# Altium PCB SHD2ZW2v1.2.1.PcbDoc (part 2 of 2)
Units mm, origin at the board's own origin, x right, y up, seen from the top; angles counter-clockwise.
Board outline 80 x 70.63 mm, 2 copper layers (Top Layer, Bottom Layer), stack 1.671 mm thick; 108 components, 77 nets, 372 pads, 328 vias.
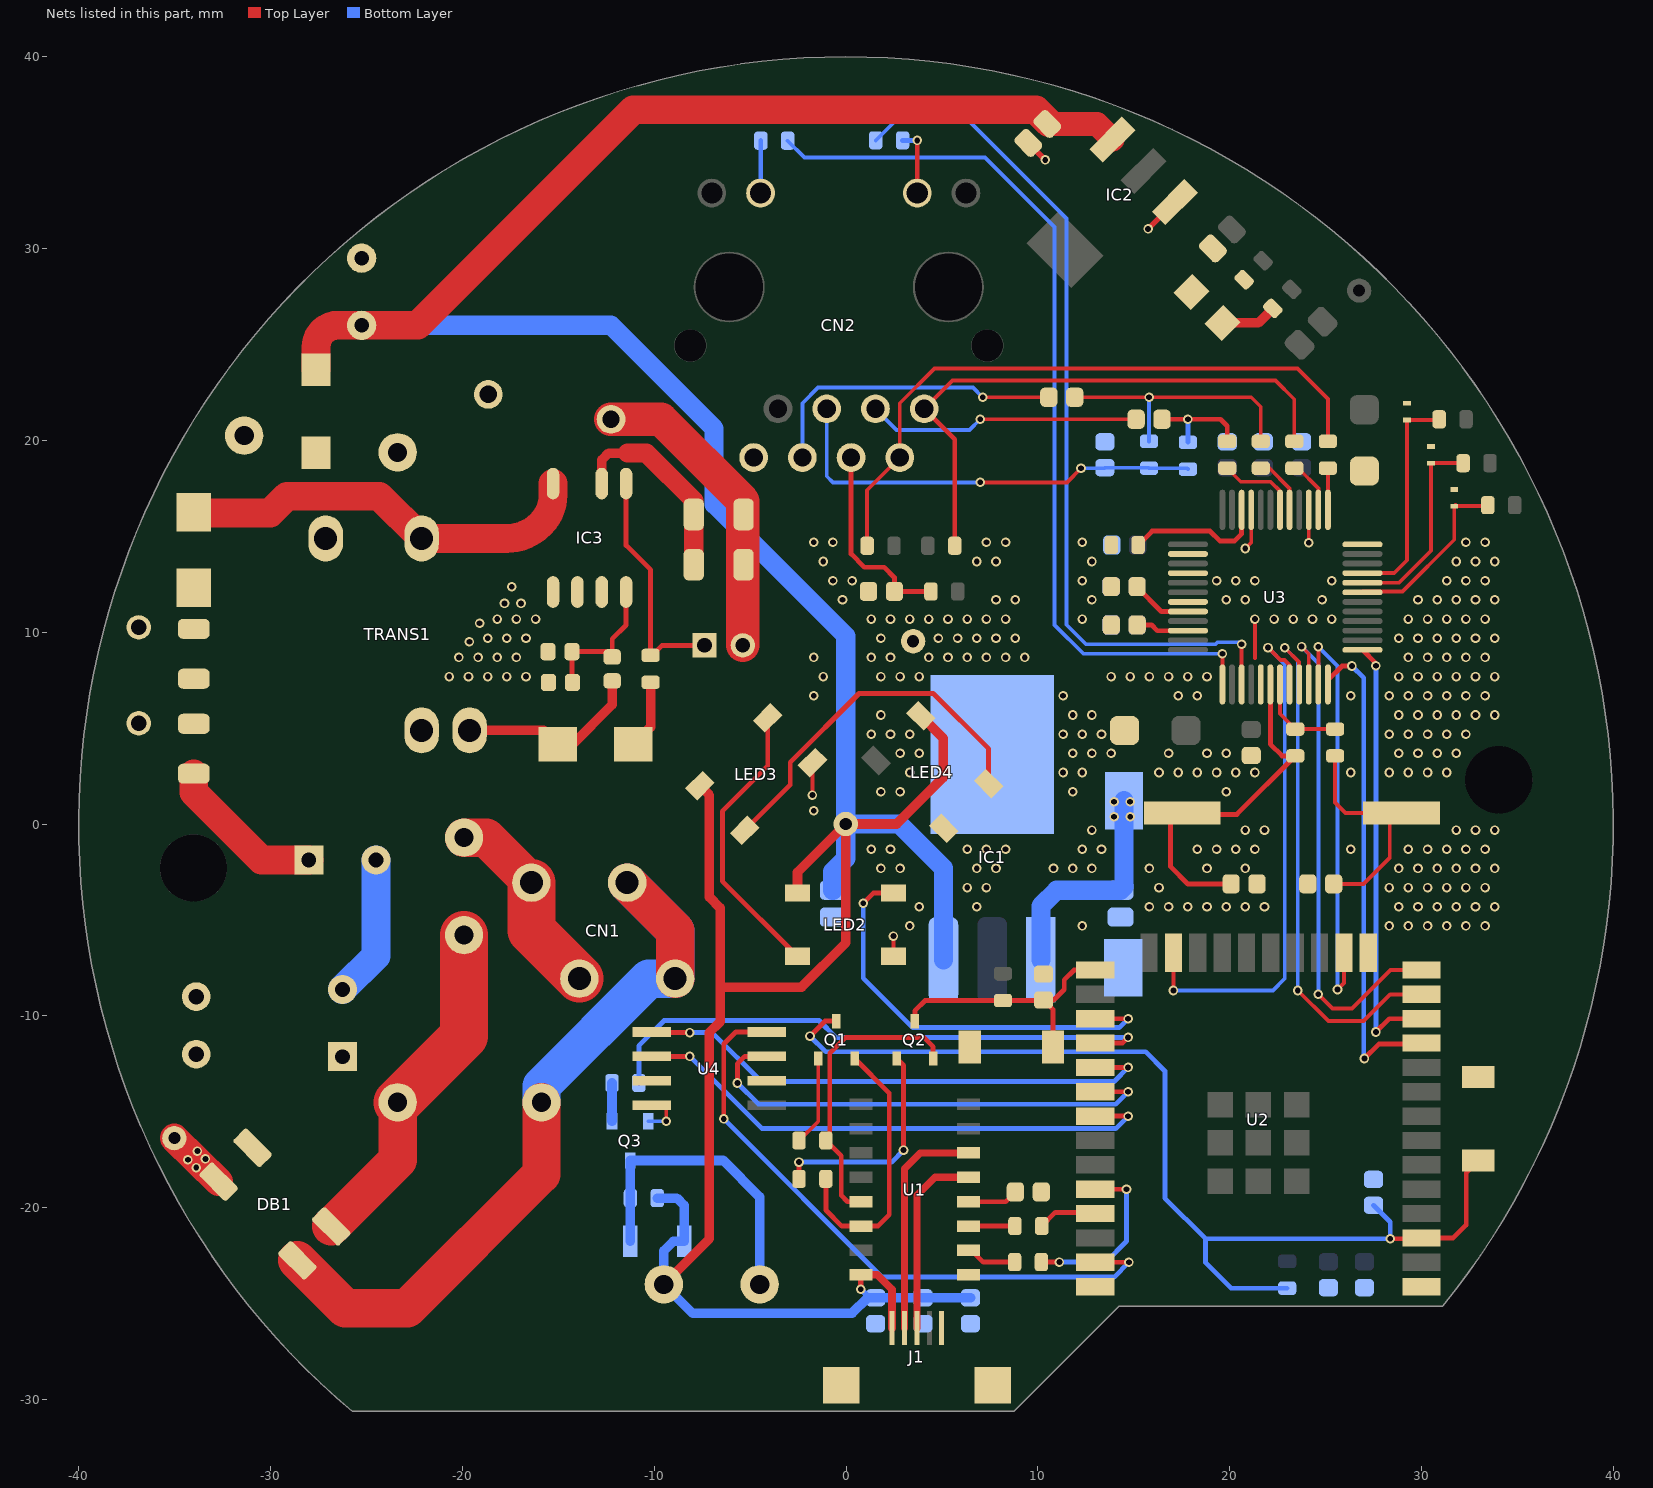
[diagram p2: the nets of this part, all layers, seen from the top]

## Via types
v1: diameter 0.5, hole 0.3, Top Layer to Bottom Layer, tented both sides, 316 vias
v2: diameter 0.3, hole 0.2, Top Layer to Bottom Layer, tented both sides, 12 vias

## Nets (pads, with @x,y where several pads share a name; then routed paths per layer and width w, separated by ;. In a path a pad name is that pad's centre, name@x,y a point inside that pad or via, vN(x,y) a via of type N, cw(c..) or ccw(c..) an arc to the next point about the centre after c; other vN are vias at no path point) (continued)
+5V: B1.1 C1.1 C2.1 C3.1 C11.1 C15.2 C16.2 D1.1 D2.1 IC1.3 IC2.3 J1.1 LED2.1 LED3.1 LED4.1 R8.2 TP4.1 U1.16 | length 191.8
  Top Layer w0.3: v1(0.775,-24.25) U1.16@0.775,-23.5
  Top Layer w0.4: U1.16@0.775,-23.5 1.629,-23.5 2.4,-24.271 J1.1@2.4,-26.282
  Top Layer w0.5: B1.1@-9.5,-24 -7.129,-21.629 -7.129,-10.879 -6.562,-10.312 -6.562,-8.5 ; LED3.1@-7.618,2 -7.125,1.507 -7.125,-3.813 -6.562,-4.375 -6.562,-8.5 ; LED2.1@-2.53,-3.6 -2.53,-2.516 TP4.1@-0.014,0 ; LED4.1@3.899,5.644 5.062,4.481 5.062,2.421 2.641,0 TP4.1@-0.014,0 ; -6.562,-8.5 -2.317,-8.5 -0.014,-6.197 TP4.1@-0.014,0
  Top Layer w1.25: C16.2@10.495,36.495 13.075,36.495 IC2.3@13.893,35.677
  Top Layer w1.5: D2.1@-27.625,23.69 -27.625,24.875 cw(c-26.5,24.875) -26.5,26 C11.1@-25.25,26 -22.323,26 -11.087,37.236 9.901,37.236 C16.2@10.569,36.569
  Bottom Layer w0.3: v1(0.775,-24.25) C1.1@1.225,-24.7
  Bottom Layer w0.5: R8.2@-9.841,-19.502 -8.814,-19.502 -8.441,-19.875 D1.1@-8.441,-21.752 -9.002,-21.752 -9.5,-22.25 B1.1@-9.5,-24 -7.996,-25.504 -3.877,-25.504 -3.873,-25.5 0.312,-25.5 1.113,-24.7 1.225,-24.7 C1.1@1.54,-24.7 C2.1@4.015,-24.7 C3.1@6.49,-24.7
  Bottom Layer w1: C11.1@-25.25,26 -12.25,26 -6.875,20.625 -6.875,16.67 -0.014,9.809 TP4.1@-0.014,0 ; C15.2@-0.692,-3.456 -0.692,-2.478 -0.014,-1.8 TP4.1@-0.014,0 ; IC1.3@5.08,-7.075 5.08,-2.299 2.781,0 TP4.1@-0.014,0
+12V: C14.2 IC1.1 pad.1@14.492,1.214 | length 12
  Bottom Layer w1: IC1.1@10.16,-7.075 10.16,-4.277 10.981,-3.456 C14.2@14.313,-3.456 14.492,-3.276 pad.1@14.492,1.214
  other v1: 13.976,0.375 14.821,0.375 13.976,1.155 14.813,1.155
A: D2.2 pad.2
ACTLED: R31.1 U3.27 | length 45.8
  Top Layer w0.2: U3.27@20.625,7.279 v1(20.625,9.375)
  Bottom Layer w0.2: R31.1@1.55,35.641 3.034,37.125 5.95,37.125 11.5,31.575 11.5,10.392 12.517,9.375 19.271,9.375 19.375,9.479 20.521,9.479 v1(20.625,9.375)
BUZZER: R9.1 U2.28 | length 30.2
  Top Layer w0.254: U2.28@13,-11.42 14.412,-11.42 v1(14.707,-11.125)
  Bottom Layer w0.254: R9.1@-10.8,-13.5 -10.8,-11.559 -9.485,-10.244 -1.409,-10.244 -0.528,-11.125 v1(14.707,-11.125)
D_N: J1.2 U1.6 | length 12
  Top Layer w0.381: J1.2@3.05,-26.282 3.05,-17.969 3.869,-17.15 U1.6@6.375,-17.15
D_P: J1.3 U1.5 | length 10
  Top Layer w0.381: J1.3@3.7,-26.282 3.7,-19.357 4.637,-18.42 U1.5@6.375,-18.42
DTR: Q2.2 R6.2 U1.13 | length 15.5
  Top Layer w0.254: U1.13@0.775,-19.69 0.078,-19.69 -0.25,-19.362 -0.25,-17.3 R6.2@-1.05,-16.5 -0.844,-16.294 -0.844,-11.955 -0.014,-11.125 4.055,-11.125 4.54,-11.61 Q2.2@4.54,-12.225
EN: C4.2 Q1.3 R1.1 SW1.1 U2.3 | length 56.3
  Top Layer w0.254: v1(-1.875,-11.057) -1.093,-10.275 Q1.3@-0.5,-10.275 ; v1(28.375,-21.625) 29.955,-21.625 U2.3@30,-21.58 31.653,-21.58 32.315,-20.918 32.336,-20.918 32.336,-18.181 SW1.1@32.967,-17.55
  Bottom Layer w0.254: v1(-1.875,-11.057) -1.057,-11.875 15.625,-11.875 16.625,-12.875 16.625,-19.505 18.745,-21.625 ; R1.1@23,-24.2 20.075,-24.2 18.745,-22.87 18.745,-21.625 ; C4.2@27.5,-19.875 28.375,-20.75 v1(28.375,-21.625) 18.745,-21.625
FB: C19.2 IC3.4 R16.1 R17.2 | length 7.5
  Top Layer w0.254: R17.2@-14.26,7.375 -14.286,7.401 C19.2@-14.286,8.984 -12.459,8.984 R16.1@-12.187,8.713 -12.187,9.652 -11.464,10.375 IC3.4@-11.464,12.097
GND: C1.2 C2.2 C3.2 C4.1 C5.1 C6.2 C7.1 C8.1 C11.2 C12.2 C14.1 C15.1 C16.1 C17.1 C21.2 C23.2 C24.1 C25.1 C26.2 C27.2 C28.2 C29.2 C30.2 C31.2 C32.2 C33.1 C34.1 C35.1 C36.1 CN2.8 IC1.4 IC2.1 J1.5 LED1.2 LED2.3 LED3.3 LED4.3 pad.3 pad.4 Q3.2 R12.1 R30.1 SW1.2 SW2.2 SW3.2 SW4.2 SW5.2 TP2.1 U1.1 U2.1 U2.15 U2.38 U3.3 U3.9 U3.14 U3.16 U3.19 U3.29 U3.48 U4.4 | length 14.4
  Top Layer w0.2: U4.4@-10.125,-14.655 -9.375,-14.655 v1(-9.375,-15.494) ; v1(-1.75,1.507) LED3.3@-1.749,3.202 ; LED2.3@2.47,-6.9 v1(2.47,-5.842) ; U3.14@17.825,14.079 U3.14@17.825,14.122 ; v1(20.818,14.362) 21.125,14.668 U3.9@21.125,16.379 ; 21.318,8.659 v1(21.318,10.686) ; v1(24.125,14.665) U3.3@24.125,16.379
  Top Layer w0.3: C16.1@9.505,35.505 v1(10.387,34.623) ; v1(15.749,31.027) IC2.1@17.146,32.424
  Bottom Layer w0.2: Q3.2@-10.3,-15.494 v1(-9.375,-15.494)
  other v1: 3.318,-5.314 12.318,-5.314 28.318,-5.314 29.318,-5.314 30.318,-5.314 31.318,-5.314 32.318,-5.314 33.318,-5.314 3.818,-4.314 6.818,-4.314 15.818,-4.314 16.818,-4.314 17.818,-4.314 18.818,-4.314 19.818,-4.314 20.818,-4.314 21.818,-4.314 28.818,-4.314 29.818,-4.314 30.818,-4.314 31.818,-4.314 32.818,-4.314 33.818,-4.314 6.318,-3.314 7.318,-3.314 16.318,-3.314 28.318,-3.314 29.318,-3.314 30.318,-3.314 31.318,-3.314 32.318,-3.314 33.318,-3.314 1.818,-2.314 2.818,-2.314 6.818,-2.314 7.818,-2.314 10.818,-2.314 11.818,-2.314 12.818,-2.314 15.818,-2.314 18.818,-2.314 20.818,-2.314 28.818,-2.314 29.818,-2.314 30.818,-2.314 31.818,-2.314 32.818,-2.314 33.818,-2.314 1.318,-1.314 2.318,-1.314 6.318,-1.314 7.318,-1.314 8.318,-1.314 12.318,-1.314 13.318,-1.314 18.318,-1.314 19.318,-1.314 20.318,-1.314 21.318,-1.314 26.318,-1.314 29.318,-1.314 30.318,-1.314 31.318,-1.314 32.318,-1.314 33.318,-1.314 12.818,-0.314 20.818,-0.314 21.818,-0.314 31.818,-0.314 32.818,-0.314 33.818,-0.314 -1.682,0.686 1.818,1.686 2.818,1.686 11.818,1.686 19.818,1.686 3.318,2.686 11.318,2.686 12.318,2.686 16.318,2.686 17.318,2.686 18.318,2.686 19.318,2.686 20.318,2.686 21.318,2.686 26.318,2.686 28.318,2.686 29.318,2.686 30.318,2.686 31.318,2.686 2.818,3.686 3.818,3.686 11.818,3.686 12.818,3.686 13.818,3.686 16.818,3.686 18.818,3.686 19.818,3.686 28.818,3.686 29.818,3.686 30.818,3.686 31.818,3.686 1.318,4.686 2.318,4.686 3.318,4.686 11.318,4.686 12.318,4.686 13.318,4.686 28.318,4.686 29.318,4.686 30.318,4.686 31.318,4.686 32.318,4.686 1.818,5.686 11.818,5.686 12.818,5.686 28.818,5.686 29.818,5.686 30.818,5.686 31.818,5.686 32.818,5.686 33.818,5.686 -1.682,6.686 11.318,6.686 17.318,6.686 18.318,6.686 26.318,6.686 28.318,6.686 29.318,6.686 30.318,6.686 31.318,6.686 32.318,6.686 33.318,6.686 -1.182,7.686 1.818,7.686 2.818,7.686 3.818,7.686 13.818,7.686 14.818,7.686 15.818,7.686 16.818,7.686 17.818,7.686 18.818,7.686 28.818,7.686 29.818,7.686 30.818,7.686 31.818,7.686 32.818,7.686 33.818,7.686 -1.682,8.686 1.318,8.686 2.318,8.686 4.318,8.686 5.318,8.686 6.318,8.686 7.318,8.686 8.318,8.686 9.318,8.686 29.318,8.686 30.318,8.686 31.318,8.686 32.318,8.686 33.318,8.686 1.818,9.686 4.818,9.686 5.818,9.686 6.818,9.686 7.818,9.686 8.818,9.686 28.818,9.686 29.818,9.686 30.818,9.686 31.818,9.686 32.818,9.686 33.818,9.686 1.318,10.686 2.318,10.686 3.318,10.686 4.318,10.686 5.318,10.686 6.318,10.686 7.318,10.686 8.318,10.686 12.318,10.686 22.318,10.686 23.318,10.686 24.318,10.686 25.318,10.686 29.318,10.686 30.318,10.686 31.318,10.686 32.318,10.686 33.318,10.686 -0.182,11.686 7.818,11.686 8.818,11.686 12.818,11.686 19.818,11.686 20.818,11.686 24.818,11.686 29.818,11.686 30.818,11.686 31.818,11.686 32.818,11.686 33.818,11.686 -0.682,12.686 0.318,12.686 12.318,12.686 19.318,12.686 20.318,12.686 21.318,12.686 25.318,12.686 31.318,12.686 32.318,12.686 33.318,12.686 -1.182,13.686 6.818,13.686 7.818,13.686 12.818,13.686 31.818,13.686 32.818,13.686 33.818,13.686 -1.682,14.686 -0.682,14.686 7.318,14.686 8.318,14.686 12.318,14.686 32.318,14.686 33.318,14.686
GND1: C9.2 C10.2 C12.1 C18.2 C19.1 DB1.3 IC3.1 IC3.2 IC3.3 R13.2 R14.2 R17.1 TP1.1 TRANS1.9 | length 26.9
  Top Layer w1.5: TP1.1@-35.016,-16.375 DB1.3@-32.705,-18.646
  Top Layer w1.75: C12.1@-12.25,21.1 -9.644,21.1 -5.375,16.831 C18.2@-5.375,9.313
  Bottom Layer w1.5: C9.2@-26.25,-8.625 -24.5,-6.875 C10.2@-24.5,-1.875
  other v1: -33.875,-17.912 -34.307,-17.5 -33.395,-17.461 -33.813,-17.051 -20.682,7.686 -19.682,7.686 -18.682,7.686 -17.682,7.686 -16.682,7.686 -20.182,8.686 -19.182,8.686 -18.182,8.686 -17.182,8.686 -19.635,9.5 -18.682,9.686 -17.682,9.686 -16.682,9.686 -19.101,10.469 -18.182,10.686 -17.182,10.686 -16.182,10.686 -17.806,11.5 -16.942,11.5 -17.425,12.375
GPIO0: C5.2 Q2.3 R2.1 SW2.1 U2.25 | length 13.8
  Top Layer w0.254: Q2.3@3.59,-10.275 3.59,-9.735 4.125,-9.2 R2.1@8.181,-9.2 10.271,-9.2 C5.2@10.296,-9.175 ; SW2.1@10.8,-11.625 10.8,-9.679 C5.2@10.296,-9.175 ; U2.25@13,-7.61 11.89,-7.61 11.375,-8.125 11.375,-8.625 10.825,-9.175 C5.2@10.296,-9.175
L: CN1.1 CN1.2 F1.1 | length 16.6
  Top Layer w2: F1.1@-19.914,-0.71 -18.756,-0.71 CN1.1@-16.405,-3.061
  Top Layer w2.5: CN1.1@-16.405,-3.061 -16.405,-5.561 CN1.2@-13.905,-8.061
  Bottom Layer w2: CN1.1@-16.405,-3.061 -16.405,-5.561 CN1.2@-13.905,-8.061
LED_RGB: LED2.4 U2.27 | length 22.5
  Top Layer w0.254: v1(0.902,-4.125) 1.426,-3.6 LED2.4@2.47,-3.6 ; U2.27@13,-10.15 v1(14.707,-10.15)
  Bottom Layer w0.254: v1(0.902,-4.125) 0.902,-8.04 3.478,-10.617 14.24,-10.617 v1(14.707,-10.15)
LINKLED: R32.1 U3.25 | length 47.5
  Top Layer w0.2: U3.25@19.625,7.279 v1(19.625,8.875)
  Bottom Layer w0.2: R32.1@-3.042,35.625 -2.167,34.75 7.245,34.75 10.875,31.12 10.875,10.375 12.375,8.875 v1(19.625,8.875)
N: CN1.3 CN1.4 DB1.2 V1.2 | length 42.6
  Top Layer w2: DB1.2@-28.605,-22.746 -26.102,-25.25 -22.875,-25.25 -15.875,-18.25 V1.2@-15.875,-14.508 ; CN1.3@-11.405,-3.061 -8.905,-5.561 CN1.4@-8.905,-8.061
  Bottom Layer w2: V1.2@-15.875,-14.508 -15.875,-13.659 -10.277,-8.061 CN1.4@-8.905,-8.061 -8.905,-5.561 CN1.3@-11.405,-3.061
NetB1_2: B1.2 D1.2 Q3.3 R8.1 | length 16.3
  Bottom Layer w0.5: D1.2@-11.241,-21.752 R8.1@-11.241,-19.502 -11.25,-19.493 Q3.3@-11.25,-17.544 -6.396,-17.544 -4.5,-19.44 B1.2@-4.5,-24
NetC6_1: C6.1 U1.4 | length 2.7
  Top Layer w0.254: U1.4@6.375,-19.69 8.322,-19.69 C6.1@8.83,-19.182
NetC9_1: C9.1 DB1.1 L1.1
NetC13_1: C13.1 D3.1 R11.1
NetC13_2: C13.2 R10.1 R11.2
NetC20_2: C20.2 CN2.6 | length 16.2
  Top Layer w0.2: v1(7.125,22.25) C20.2@10.575,22.25
  Bottom Layer w0.2: CN2.6@-2.275,19.105 -2.275,21.936 -1.462,22.749 6.626,22.749 v1(7.125,22.25)
NetC21_1: C21.1 CN2.5 R20.2 R22.1 | length 22.8
  Top Layer w0.2: v1(7,17.812) 11.516,17.812 v1(12.25,18.546)
  Bottom Layer w0.2: CN2.5@-1.005,21.645 -1.005,18.13 -0.687,17.812 v1(7,17.812) ; v1(12.25,18.546) 13.471,18.546 C21.1@13.5,18.575 15.775,18.575 R20.2@15.8,18.55 17.775,18.55 R22.1@17.825,18.5
NetC22_2: C22.2 CN2.3 | length 14.3
  Top Layer w0.2: v1(7,21.1) C22.2@15.125,21.1
  Bottom Layer w0.2: CN2.3@1.535,21.645 2.639,20.541 6.441,20.541 v1(7,21.1)
NetC25_2: C25.2 CN2.4 R29.1 | length 10.9
  Top Layer w0.2: CN2.4@0.265,19.105 CN2.4@0.265,19.537
  Top Layer w0.254: CN2.4@0.265,19.105 0.265,14.082 0.961,13.386 1.987,13.386 2.522,12.851 C25.2@2.522,12.125 R29.1@4.425,12.125
NetC33_2: C33.2 U3.22 | length 2.8
  Top Layer w0.25: C33.2@15.178,10.375 15.929,10.375 16.225,10.079 U3.22@17.825,10.079
NetC34_2: C34.2 U3.20 | length 3.2
  Top Layer w0.25: C34.2@15.175,12.375 15.175,12.35 16.446,11.079 U3.20@17.825,11.079
NetC35_2: C35.2 R34.1 XT1.1 | length 11.8
  Top Layer w0.2: C35.2@25.425,-3.125 26.972,-3.125 28.352,-1.745 XT1.1@28.352,0.5 ; R34.1@25.5,3.55 25.5,1.125 26.045,0.58 XT1.1@28.955,0.58
NetCN2_10: CN2.10 R31.2 | length 3.5
  Top Layer w0.253: CN2.10@3.715,32.895 v1(3.715,35.641)
  Bottom Layer w0.253: R31.2@2.95,35.641 v1(3.715,35.641)
NetCN2_11: CN2.11 R32.2 | length 2.7
  Bottom Layer w0.254: CN2.11@-4.442,32.908 R32.2@-4.442,35.625
  Bottom Layer w0.3: CN2.11@-4.455,32.895 CN2.11@-4.442,32.908
NetD3_2: D3.2 IC3.7 TRANS1.2 | length 21.9
  Top Layer w1.5: D3.2@-34,16.246 -33.975,16.221 -30.015,16.221 -29.146,17.09 -24.329,17.09 TRANS1.2@-22.125,14.886 -17.706,14.886 ccw(c-17.706,17.426) -15.91,15.63 ccw(c-17.446,17.166) -15.274,17.166 IC3.7@-15.274,17.747
NetD4_1: D4.1 R15.2 | length 3.7
  Top Layer w0.5: D4.1@-11.098,4.147 -10.188,5.057 R15.2@-10.188,7.463
NetD4_2: D4.2 R16.2 TRANS1.10 | length 9.8
  Top Layer w0.5: TRANS1.10@-19.625,4.886 -15.767,4.886 D4.2@-15.028,4.147 -14.263,4.147 -12.187,6.223 R16.2@-12.187,7.463
NetDB1_4: DB1.4 F1.2 V1.1 | length 18.1
  Top Layer w2: DB1.4@-26.838,-20.978 -23.375,-17.516 V1.1@-23.375,-14.508
  Top Layer w2.5: V1.1@-23.375,-14.508 -19.914,-11.047 F1.2@-19.914,-5.79
NetLED1_1: LED1.1 R3.1 | length 2.9
  Top Layer w0.5: LED1.1@19.625,26.125 21.5,26.125 R3.1@22.255,26.88
NetLED2_2: LED2.2 LED3.4 | length 15
  Top Layer w0.254: LED3.4@-4.083,5.536 -4.083,3.029 -6.444,0.668 -6.444,-2.986 LED2.2@-2.53,-6.9
NetLED3_2: LED3.2 LED4.4 | length 19.4
  Top Layer w0.254: LED3.2@-5.285,-0.333 -2.908,2.043 -2.908,3.218 0.676,6.803 4.545,6.803 7.434,3.913 LED4.4@7.434,2.109
NetQ1_1: Q1.1 R6.1 | length 4.7
  Top Layer w0.2: R6.1@-2.45,-16.5 -1.45,-15.5 Q1.1@-1.45,-12.225
NetQ2_1: Q2.1 R7.1 | length 11.5
  Top Layer w0.254: R7.1@-2.45,-18.5 v1(-2.45,-17.625) ; Q2.1@2.64,-12.225 3,-12.585 v1(3,-17)
  Bottom Layer w0.254: v1(-2.45,-17.625) 2.375,-17.625 v1(3,-17)
NetQ3_1: Q3.1 R9.2 | length 2
  Bottom Layer w0.5: Q3.1@-12.2,-15.494 R9.2@-12.2,-13.5
NetR4_1: R4.1 U1.2 | length 2.7
  Top Layer w0.254: U1.2@6.375,-22.23 6.544,-22.23 7.153,-22.839 R4.1@8.789,-22.839
NetR5_1: R5.1 U1.3 | length 2.4
  Top Layer w0.254: U1.3@6.375,-20.96 R5.1@8.805,-20.96
NetR18_2: R18.2 SW3.1 U3.45 | length 11.6
  Top Layer w0.2: U3.45@26.925,13.079 28.579,13.079 29.25,13.75 SW3.1@29.25,21.063 30.887,21.063 R18.2@30.925,21.1
NetR19_2: R19.2 SW4.1 U3.44 | length 10.5
  Top Layer w0.2: U3.44@26.925,12.579 28.829,12.579 30.5,14.25 SW4.1@30.5,18.812 R19.2@32.175,18.813
NetR21_2: R21.2 SW5.1 U3.43 | length 9.5
  Top Layer w0.2: U3.43@26.925,12.079 26.925,12.125 29.017,12.125 31.711,14.819 SW5.1@31.711,16.562 31.773,16.625 31.814,16.584 33.461,16.584 R21.2@33.461,16.625
NetR23_2: R23.2 U3.1 | length 2.2
  Top Layer w0.2: R23.2@25.121,18.55 25.125,18.546 U3.1@25.125,16.379
NetR24_2: R24.2 U3.2 | length 2.8
  Top Layer w0.2: R24.2@23.373,18.55 23.575,18.55 24.625,17.5 U3.2@24.625,16.379
NetR26_2: R26.2 U3.5 | length 3.1
  Top Layer w0.2: R26.2@21.624,18.55 22.075,18.55 23.125,17.5 U3.5@23.125,16.379
NetR27_2: R27.2 U3.6 | length 4.2
  Top Layer w0.2: R27.2@19.875,18.55 20.579,17.846 22.137,17.846 22.625,17.358 U3.6@22.625,16.379
NetR30_2: R30.2 U3.10 | length 7.3
  Top Layer w0.25: R30.2@15.23,14.543 15.96,15.273 18.977,15.273 19.5,14.75 20.25,14.75 20.625,15.125 U3.10@20.625,16.379
NetU2_11: U2.11 U3.36 | length 25.8
  Top Layer w0.254: U3.36@25.125,7.279 25.125,7.5 25.862,8.237 v1(26.375,8.237) ; v1(27.025,-12.225) 27.774,-11.476 29.944,-11.476 U2.11@30,-11.42
  Bottom Layer w0.254: v1(26.375,8.237) 26.994,7.618 26.994,-12.194 v1(27.025,-12.225)
NetU4_3: U4.3
NetU4_6: U4.6
PSOURCE: IC3.6 R13.1 R14.1 | length 10.6
  Top Layer w0.5: IC3.6@-12.734,17.747 -12.734,18.977 -12.375,19.336 -11.375,19.336
  Top Layer w1: -11.375,19.336 -10.4,19.336 -7.937,16.873 R13.1@-7.937,16.136 R14.1@-7.937,13.518
PVCC: C18.1 IC3.5 R15.1 | length 12.6
  Top Layer w0.254: IC3.5@-11.464,17.747 -11.464,14.527 -10.188,13.25 -10.188,8.713 -9.588,9.313 C18.1@-7.375,9.313
RSTn: U2.12 U3.37 | length 22.9
  Top Layer w0.254: U3.37@26.925,9.079 27.625,8.379 v1(27.625,8.25) ; v1(27.625,-10.845) 28.32,-10.15 U2.12@30,-10.15
  Bottom Layer w0.254: v1(27.625,-10.845) v1(27.625,8.25)
RTS: Q1.2 R7.2 U1.14 | length 14.4
  Top Layer w0.254: R7.2@-1.05,-18.5 -1.05,-20.125 -0.215,-20.96 U1.14@0.775,-20.96 1.665,-20.96 2.252,-20.373 2.252,-14.027 Q1.2@0.45,-12.225
RX0: R4.2 U2.34 | length 9.2
  Top Layer w0.254: R4.2@10.189,-22.839 v1(11.125,-22.839) ; U2.34@13,-19.04 v1(14.625,-19.04)
  Bottom Layer w0.254: v1(11.125,-22.839) 13.536,-22.839 14.625,-21.75 v1(14.625,-19.04)
SPI2_CS0: U2.23 U3.32 | length 28.2
  Top Layer w0.2: v1(17.07,-8.68) U2.23@17.07,-6.705 ; v1(22,9.2) 22.644,8.556 22.867,8.556 23.125,8.298 U3.32@23.125,7.279
  Bottom Layer w0.2: v1(17.07,-8.68) 22.256,-8.68 22.875,-8.061 22.875,8.325 v1(22,9.2)
SPI2_MISO: U2.14 U3.34 | length 27.1
  Top Layer w0.2: v1(23.75,9.25) 24.125,8.875 U3.34@24.125,7.279 ; v1(24.625,-8.88) 25.37,-9.625 26.375,-9.625 28.39,-7.61 U2.14@30,-7.61
  Bottom Layer w0.2: v1(23.75,9.25) 24.625,8.375 v1(24.625,-8.88)
SPI2_MOSI: U2.16 U3.35 | length 22.3
  Top Layer w0.2: U3.35@24.625,7.279 v1(24.625,9.237) ; v1(25.625,-8.625) 25.96,-8.29 U2.16@25.96,-6.705
  Bottom Layer w0.2: v1(24.625,9.237) 25.625,8.237 v1(25.625,-8.625)
SPI2_SCLK: U2.13 U3.33 | length 28.1
  Top Layer w0.2: v1(22.875,9.19) 23.625,8.44 U3.33@23.625,7.279 ; v1(23.552,-8.677) 25.15,-10.275 26.975,-10.275 28.37,-8.88 U2.13@30,-8.88
  Bottom Layer w0.2: v1(22.875,9.19) 23.552,8.513 v1(23.552,-8.677)
SPI3_CS0: U2.29 U4.1 | length 27.9
  Top Layer w0.254: U4.1@-10.125,-10.845 -10.095,-10.875 v1(-8.14,-10.875) ; U2.29@13,-12.69 v1(14.707,-12.69)
  Bottom Layer w0.254: v1(-8.14,-10.875) -6.965,-10.875 -4.418,-13.422 -0.75,-13.422 13.975,-13.422 v1(14.707,-12.69)
SPI3_MISO: U2.31 U4.2 | length 28.4
  Top Layer w0.254: U4.2@-10.125,-12.115 v1(-8.14,-12.115) ; U2.31@13,-15.23 v1(14.707,-15.23)
  Bottom Layer w0.254: v1(-8.14,-12.115) -4.375,-15.88 14.057,-15.88 v1(14.707,-15.23)
SPI3_MOSI: U2.37 U4.8 | length 33
  Top Layer w0.254: v1(-6.375,-15.375) -6.375,-11.47 -5.75,-10.845 U4.8@-4.125,-10.845 ; U2.37@13,-22.85 v1(14.75,-22.85)
  Bottom Layer w0.254: v1(-6.375,-15.375) 1.875,-23.625 13.975,-23.625 v1(14.75,-22.85)
SPI3_SCLK: U2.30 U4.7 | length 25.5
  Top Layer w0.254: v1(-5.663,-13.5) -5.663,-12.498 -5.28,-12.115 U4.7@-4.125,-12.115 ; U2.30@13,-13.96 v1(14.707,-13.96)
  Bottom Layer w0.254: v1(-5.663,-13.5) -4.553,-14.61 14.057,-14.61 v1(14.707,-13.96)
TPIN+: C22.1 R22.2 R27.1 | length 5.5
  Top Layer w0.254: C22.1@16.475,21.1 v1(17.825,21.1) 19.525,21.1 19.875,20.75 R27.1@19.875,19.95
  Bottom Layer w0.254: R22.2@17.825,19.9 v1(17.825,21.1)
TPIN-: C20.1 R20.1 R26.1 | length 14
  Top Layer w0.2: C20.1@11.925,22.25 v1(15.8,22.25) 21.125,22.25 21.624,21.751 R26.1@21.624,19.95
  Bottom Layer w0.2: R20.1@15.8,19.95 v1(15.8,22.25)
TPOUT+: CN2.1 R24.1 R28.2 | length 30.3
  Top Layer w0.2: CN2.1@4.075,21.645 5.555,23.125 22.389,23.125 23.373,22.141 R24.1@23.373,19.95
  Top Layer w0.254: CN2.1@4.075,21.645 5.67,20.05 R28.2@5.67,14.51
TPOUT-: CN2.2 R23.1 R25.1 | length 34.1
  Top Layer w0.2: R25.1@1.102,14.506 1.102,17.402 CN2.2@2.805,19.105 2.805,21.936 4.619,23.75 6.862,23.75 6.871,23.741 23.534,23.741 25.121,22.154 R23.1@25.121,19.95
TX0: R5.2 U2.35 | length 3.1
  Top Layer w0.254: R5.2@10.205,-20.96 10.915,-20.25 12.94,-20.25 U2.35@13,-20.31
V_IN: C10.1 L1.2 R10.2 TRANS1.4 | length 8.4
  Top Layer w1.5: R10.2@-34,2.625 -34,1.65 -30.475,-1.875 C10.1@-28,-1.875
XI: C36.2 R33.1 U3.30 XT1.2 | length 18.1
  Top Layer w0.254: XT1.2@16.922,0.5 16.922,-2.222 17.825,-3.125 C36.2@20.075,-3.125 ; XT1.2@17.525,0.58 17.605,0.5 20.375,0.5 23.42,3.545 R33.1@23.42,3.55 22.737,3.55 22.125,4.162 U3.30@22.125,7.279
XO: R33.2 R34.2 U3.31 | length 4.7
  Top Layer w0.2: U3.31@22.625,7.279 22.625,5.745 R33.2@23.42,4.95 R34.2@25.5,4.95
pads on no net: CN2.0 CN2.7 IC1.2 J1.4 LED4.2 U1.7 U1.8 U1.9 U1.10 U1.11 U1.12 U1.15 U2.0 U2.4 U2.5 U2.6 U2.7 U2.8 U2.9 U2.10 U2.17 U2.18 U2.19 U2.20 U2.21 U2.22 U2.24 U2.26 U2.32 U2.33 U2.36 U3.7 U3.12 U3.13 U3.18 U3.23 U3.24 U3.26 U3.38 U3.39 U3.40 U3.41 U3.42 U3.46 U3.47
copper on no net:
  other v2: 20.5,-18.625 22.5,-18.625 19.5,-17.62 21.5,-17.62 23.5,-17.62 20.5,-16.625 22.5,-16.625 19.5,-15.62 21.5,-15.62 23.5,-15.62 20.5,-14.625 22.5,-14.625

## Polygon pours and split planes (outlines as drawn)
GND on Top Layer "GND Plane" (solid, remove dead copper, pour order 150): 40.063,40.25 40.062,-30.626 -39.938,-30.626 -39.937,40.25
no net on Top Layer "Peak Voltage" (solid, remove dead copper, pour order 160): -22.125,16.148
no net on Top Layer "GND_TOP" (solid, remove dead copper, pour order 148): -0.014,40
no net on Top Layer "GND_TOP" (solid, remove dead copper, pour order 144): -0.014,40
A on Top Layer "A_TOP_1" (solid, remove dead copper, pour order 140): -23.375,20.5 cw(c-23.375,19.375) -22.25,19.375 -22.25,19.361 cw(c-23.342,19.361) -23.342,18.269 -28.269,18.269 cw(c-28.269,18.563) -28.563,18.563 -28.563,20.312 cw(c-28.375,20.312) -28.375,20.5
GND1 on Top Layer "GND1_TOP_1" (solid, remove dead copper, pour order 130): -22.125,3.575 cw(c-22.125,4.575) -23.125,4.575 -23.125,5.25 cw(c-22.188,5.25) -22.187,6.188 -17.755,13.282 cw(c-17.311,12.838) -17.311,13.466 -12.985,13.466 cw(c-12.985,12.603) -12.375,13.213 cw(c-12.704,12.884) -12.239,12.884 -12.239,11.436 cw(c-12.551,11.437) -12.551,11.125 -12.862,11.125 ccw(c-12.862,9.127) -14.86,9.127 -14.86,7.578 cw(c-16,7.578) -16,6.437 -19.688,6.437 ccw(c-19.688,5) -21.125,5 -21.125,4.575 cw(c-22.125,4.575)
no net on Top Layer "GND1_TOP_1" (solid, remove dead copper, pour order 128): -22.027,3.575
no net on Top Layer "GND1_BOT_2" (solid, remove dead copper, pour order 120): -16,6.437
NetC9_1 on Top Layer "C9_3_TOP" (solid, remove dead copper, pour order 100): -29.808,-17.307 cw(c-30.122,-17.307) -30.122,-17.62 ccw(c-30.122,-17.307) -29.808,-17.307 cw(c-30.122,-17.307) -30.122,-17.62 -30.125,-17.62 -30.122,-17.62 ccw(c-30.122,-17.307) -29.808,-17.307 cw(c-30.122,-17.307) -30.122,-17.62 ccw(c-30.122,-17.307)
NetC9_1 on Top Layer "C9_1_TOP" (solid, remove dead copper, pour order 98): -27.563,-20.239
NetC9_1 on Top Layer "C9_1_TOP" (solid, remove dead copper, pour order 96): -27.563,-20.239
NetC9_1 on Top Layer "C9_1_TOP" (solid, remove dead copper, pour order 92): -30.125,-17.62 -30.332,-17.827 cw(c-30.75,-17.409) -30.75,-18 cw(c-30.75,-17.698) -30.963,-17.912 -34.006,-14.869 cw(c-32.21,-13.073) -34.75,-13.073 -34.75,-12 cw(c-33.875,-12) -33.875,-11.125 -25.5,-11.125 cw(c-25.5,-11.25) -25.375,-11.25 -25.375,-13 cw(c-25.5,-13) -25.5,-13.125 -28.75,-13.125 -31.18,-15.5 -29.875,-16.878 -29.838,-16.915 cw(c-30.051,-17.128) -29.808,-17.307 cw(c-30.142,-17.307) -30.042,-17.625
NetC9_1 on Top Layer "C9_1_TOP" (solid, remove dead copper, pour order 94): -29.808,-17.36
NetC13_2 on Top Layer "C13_2_TOP" (solid, remove dead copper, pour order 72): -36.875,4.5 cw(c-36.875,5.25) -37.625,5.25 cw(c-36.875,5.25) -36.875,6 -35,8 -34.838,8.162 cw(c-34.625,7.948) -34.625,8.25 -33.427,8.25 cw(c-33.427,7.823) -33.125,8.125 -33.088,8.088 cw(c-33.302,7.875) -33,7.875 -33,4.927 cw(c-33.427,4.927) -33.125,4.625 cw(c-33.427,4.927) -33.427,4.5
NetC13_1 on Top Layer "C13_1_TOP" (solid, remove dead copper, pour order 70): -36.875,9.5 cw(c-36.875,10.25) -37.625,10.25 cw(c-36.875,10.25) -36.875,11 -35.25,13.375 -35.213,13.412 cw(c-35,13.198) -35,13.5 -33.302,13.5 cw(c-33.302,13.073) -33,13.375 -32.963,13.338 cw(c-33.177,13.125) -32.875,13.125 -32.875,9.927 cw(c-33.302,9.927) -33,9.625 -33.037,9.588 cw(c-33.25,9.802) -33.25,9.5 -36.875,9.5
no net on Top Layer "+5V_TOP" (solid, remove dead copper, pour order 64): -36.875,9.5
no net on Top Layer "+5V_TOP" (solid, remove dead copper, pour order 60): -37.75,10.86
no net on Top Layer "+5V_TOP" (solid, remove dead copper, pour order 54): -33.012,13.5
no net on Top Layer "+5V_TOP" (solid, remove dead copper, pour order 44): -35.25,7.875
no net on Top Layer "+5V_TOP" (solid, remove dead copper, pour order 42): -35.1,8.1
A on Top Layer "A_TOP" (solid, remove dead copper, pour order 36): -23.375,21.25
A on Top Layer "A_TOP" (solid, remove dead copper, pour order 28): -28.25,21.5
A on Top Layer "A_TOP" (solid, remove dead copper, pour order 26): -28.5,21.5
A on Top Layer "A_TOP" (solid, remove dead copper, pour order 12): -23.375,21.375
+3V3A on Top Layer "3V3A_TOP" (solid, remove dead copper, pour order 4): 22.471,13.42 ccw(c22.471,13.045) 22.096,13.045 22.096,11.92 ccw(c22.471,11.92) 22.471,11.545 23.596,11.545 ccw(c23.596,11.92) 23.971,11.92 23.971,13.045 ccw(c23.596,13.045) 23.596,13.42
GND on Bottom Layer "GND Plane" (solid, remove dead copper, pour order 152): 40,40 40,-30.625 -40,-30.625 -40,40
GND1 on Bottom Layer "GND1_BOT_2" (solid, remove dead copper, pour order 118): -24.438,-2.688 ccw(c-24.438,-1.875) -23.625,-1.875 -22.125,3.575 ccw(c-22.125,4.575) -21.125,4.575 -21.125,5 cw(c-19.687,5) -19.687,6.438 -12.312,6.438 ccw(c-12.312,7.187) -11.562,7.187 -11.562,21.187 ccw(c-12.187,21.187) -12.187,21.812 -12.274,21.812 ccw(c-12.274,21.149) -12.938,21.149 -12.938,21 -22.187,6.188 ccw(c-22.187,5.25) -23.125,5.25 -23.125,4.875 -24.5,-1 ccw(c-24.5,-1.875) -25.375,-1.875 ccw(c-24.562,-1.875) -24.562,-2.688
GND1 on Bottom Layer "GND1_BOT_2" (solid, remove dead copper, pour order 116): -24.5,-2.75
GND1 on Bottom Layer "GND1_BOT" (solid, remove dead copper, pour order 112): -35.063,-15.625 ccw(c-35.063,-16.312) -35.75,-16.312 -35.75,-16.375 ccw(c-35,-16.375) -35,-17.125 -32.5,-19.625 ccw(c-32.349,-19.474) -32.349,-19.687 -32.313,-19.687 ccw(c-32.313,-19.537) -32.206,-19.643 -29.81,-17.247 ccw(c-29.951,-17.105) -29.751,-17.105 ccw(c-29.999,-17.105) -29.824,-16.93 -30.863,-15.89 cw(c-30.348,-15.375) -31.077,-15.375 -31.077,-15.316 cw(c-28.537,-15.316) -30.333,-13.52 -26.25,-9.437 ccw(c-26.25,-8.617) -25.429,-8.617 -25.429,-8.586 ccw(c-26.19,-8.586) -26.19,-7.825 -26.25,-7.825 ccw(c-26.25,-8.638) -27.063,-8.638 -27.063,-8.677 -35.063,-15.625
no net on Bottom Layer "C9_3_TOP" (solid, remove dead copper, pour order 108): -35.063,-15.625
no net on Bottom Layer "C9_3_TOP" (solid, remove dead copper, pour order 106): -35.438,-15.75
no net on Bottom Layer "C9_3_TOP" (solid, remove dead copper, pour order 104): -35.625,-16.812
V_IN on Bottom Layer "V_IN_BOT" (solid, remove dead copper, pour order 86): -30.125,-17.62
V_IN on Bottom Layer "V_IN_BOT" (solid, remove dead copper, pour order 84): -27.125,16.186 cw(c-27.125,15.186) -26.125,15.186 -26.125,14.596 cw(c-27.125,14.596) -27.125,13.596 -27.125,-4.875 -33,-9.125 cw(c-33.75,-9.125) -33.75,-9.875 -33.893,-9.875 cw(c-33.893,-9) -34.768,-9 cw(c-33.893,-9) -33.893,-8.125 -33.875,-8.125 -28.865,-4.5 -28.865,14.446 cw(c-27.125,14.446)
+3V3A on Bottom Layer "3V3A_BOT" (solid, remove dead copper, pour order 10): 22.471,13.42 ccw(c22.471,13.045) 22.096,13.045 22.096,11.949 ccw(c22.5,11.949) 22.5,11.545 23.596,11.545 ccw(c23.596,11.92) 23.971,11.92 23.971,13.12 ccw(c23.671,13.12) 23.671,13.42
+3V3A on Bottom Layer "3V3A_TOP" (solid, remove dead copper, pour order 8): 22.625,13.42
+3V3A on Bottom Layer "3V3A_TOP" (solid, remove dead copper, pour order 6): 22.625,13.42
no net on Multi-Layer "DB1_4_TOP" (solid, remove dead copper): -32,-19.375
no net on Multi-Layer "DB1_4_TOP" (solid, remove dead copper): -32,-19.375
no net on Multi-Layer "DB1_4_TOP" (solid, remove dead copper): -32,-19.375

## Keep-outs
Keep-Out Layer:
  the board outline again, w0.127

## Other copper
Top Layer:
  region: -26.15,18.396

## Silkscreen, mask and mechanical layers (free items; w line width, h text height)
Top Overlay:
  drawing of 2361 lines, arcs and shapes, not listed
  text "BIT0" at 29.687,22.313 h0.76 r90
  text "BIT1" at 29.834,17.645 h0.76 r90
  text "BIT2" at 31.35,14.968 h0.76 r90
  text "Designed By DungDA" at 28.313,9.25 h1
  text "UWB RTLS Gateway" at 5.5,5.75 h1
Bottom Overlay:
  drawing of 653 lines, arcs and shapes, not listed
  text "+12V" at 18.75,0.5 h0.76
  text "GND" at 17.974,-7.88 h0.76

## Text inside footprints (layer, text, board x,y; h text height)
C9: Top Overlay "+" at -25.911,-14.025 h0.76
C10: Top Overlay "+" at -29.9,-2.214 h0.76 r270
DB1: Top Overlay "+" at -29.817,-18.448 h0.76 r315; Top Overlay "-" at -31.435,-20.216 h0.76 r45; Top Overlay "~" at -29.565,-22.086 h0.76 r45; Top Overlay "~" at -27.797,-20.318 h0.76 r45